# Altium PCB IMX6 DEV BOARD.PcbDoc (part 4 of 12) (continued)
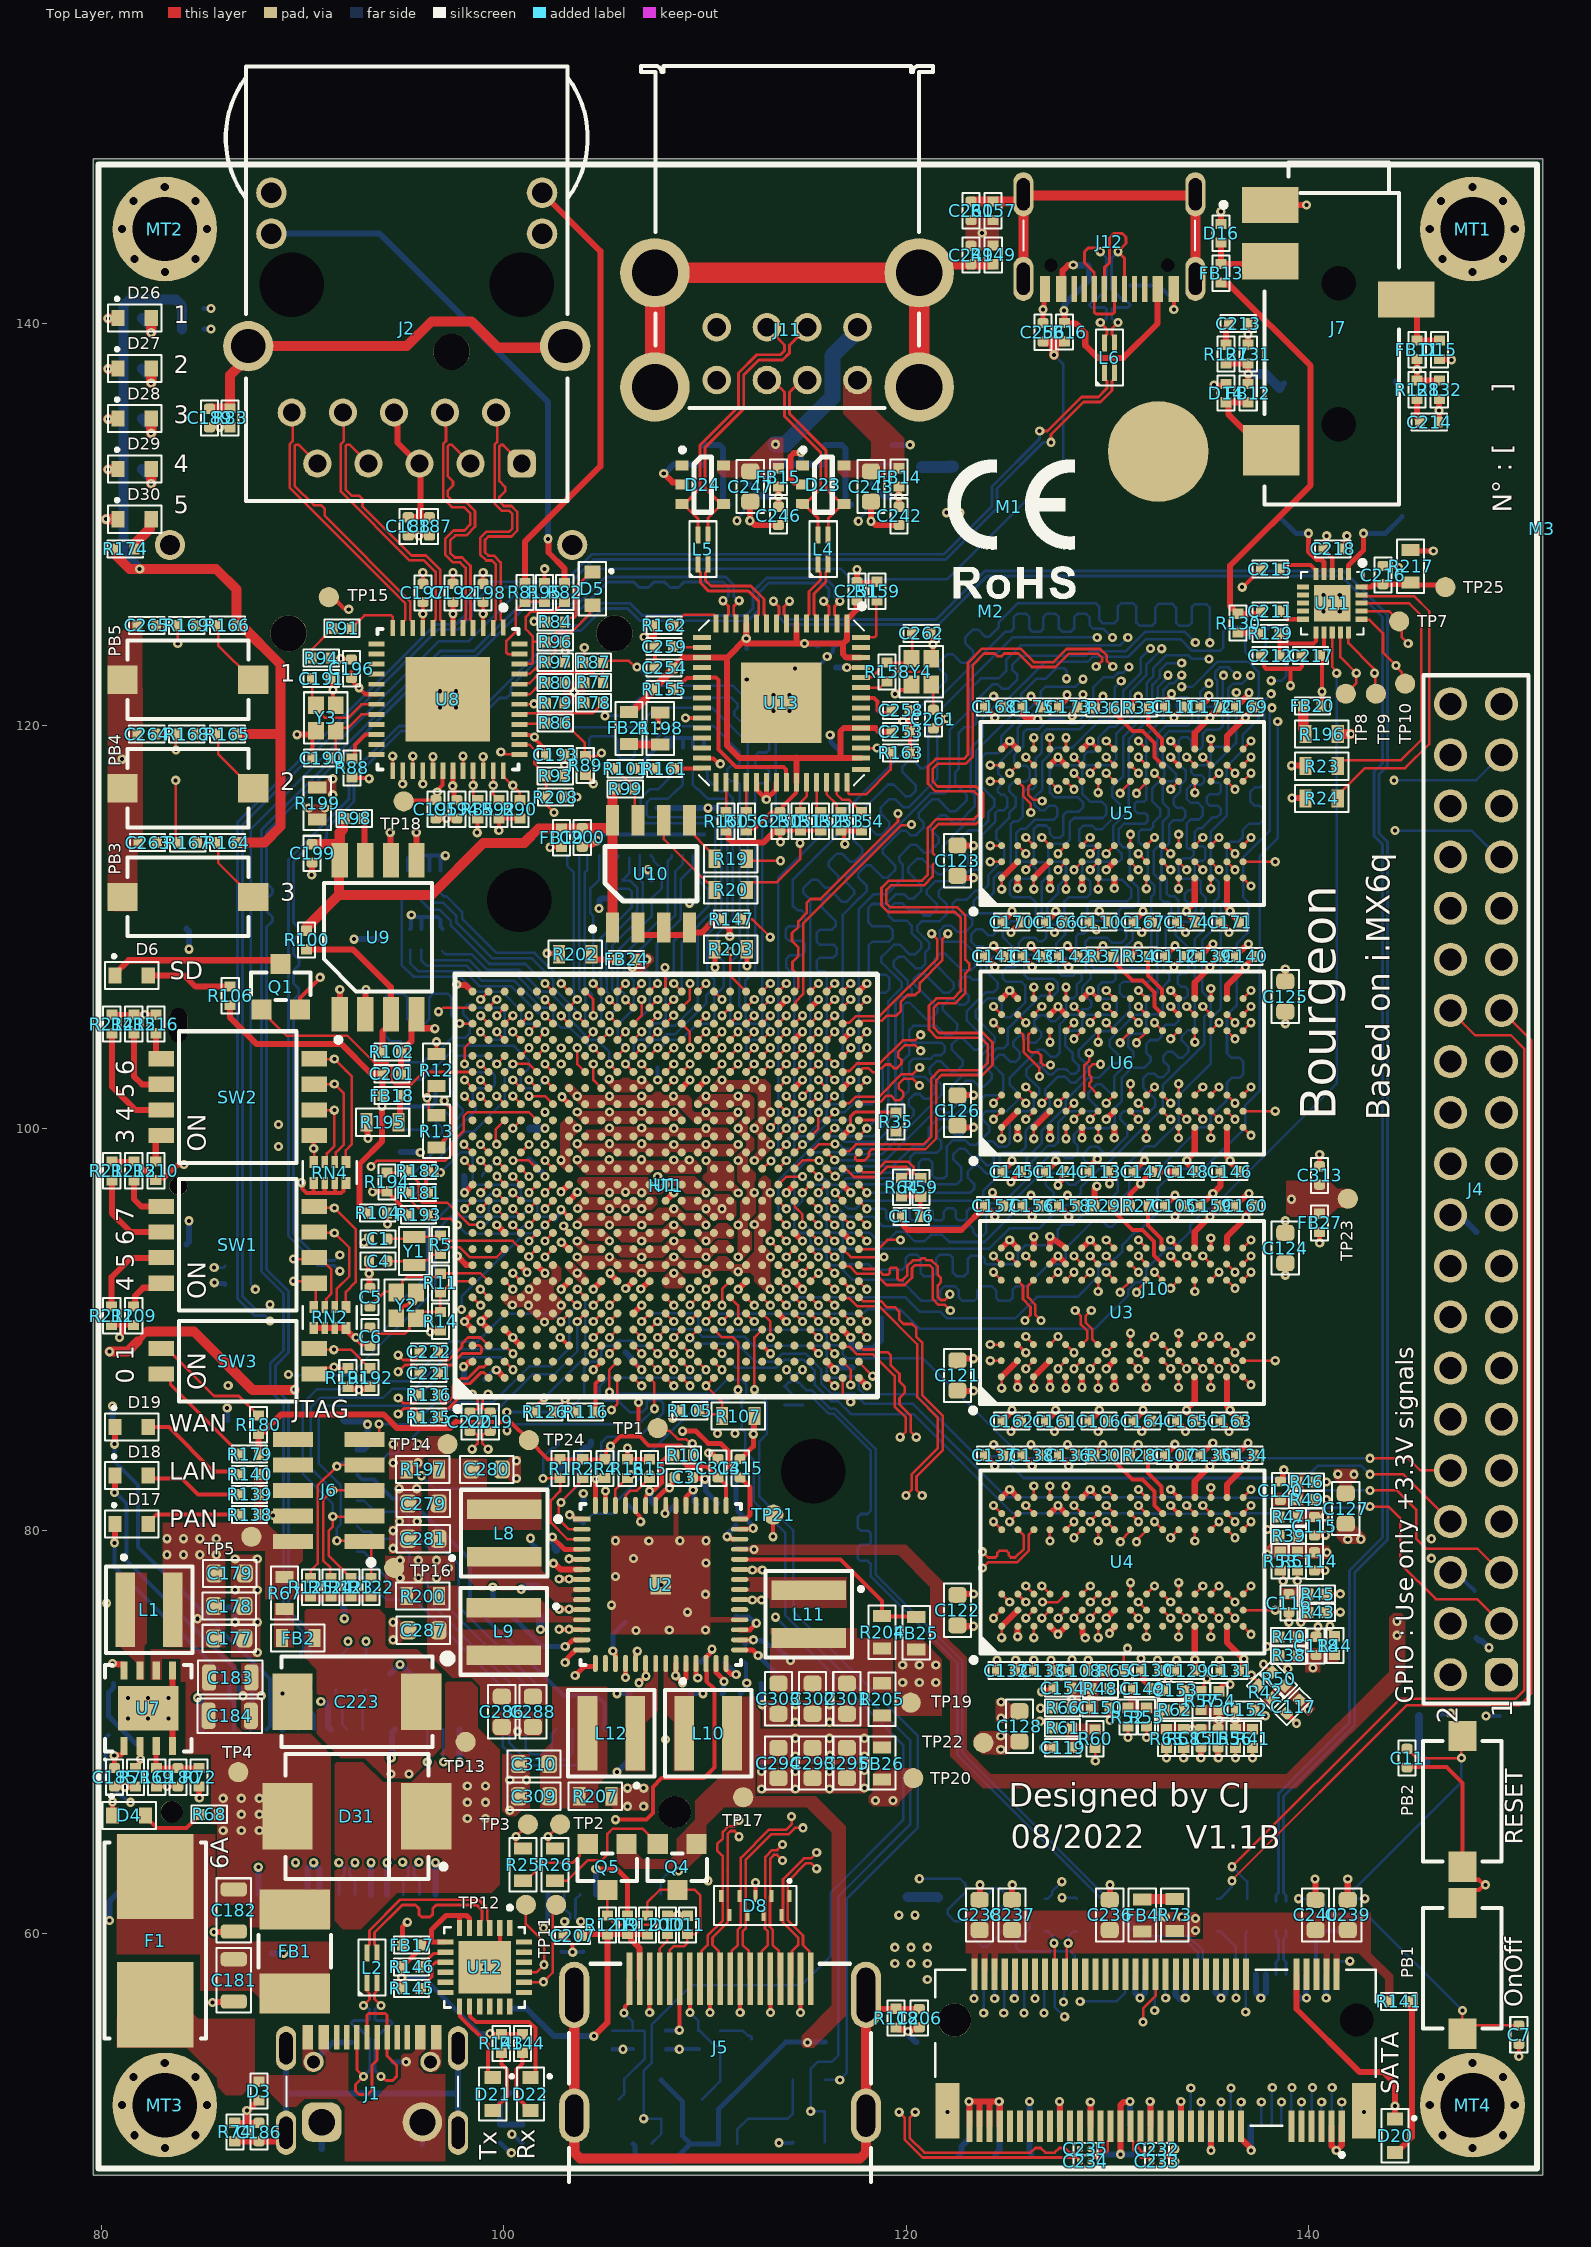
[diagram p0: Top Layer view]
## Nets (pads, with @x,y where several pads share a name; then routed paths per layer and width w, separated by ;. In a path a pad name is that pad's centre, name@x,y a point inside that pad or via, vN(x,y) a via of type N, cw(c..) or ccw(c..) an arc to the next point about the centre after c; other vN are vias at no path point) (continued)
  Top Layer w0.125: v1(107.65,89.6) 107.65,89.603 108.044,89.997 U1.N4@108.044,90
  Inner 2 w0.125: v1(107.65,89.6) 107.586,89.536 107.586,89.347 107.257,89.019 107.257,88.621 107.029,88.393 106.687,88.393 106.099,87.804 106.099,86.201 108.526,83.774 108.526,83.074 109.022,82.578 109.022,81.732 109.561,81.193 109.561,79.289 109.909,78.941 110.109,78.941 111.95,77.1 113.113,77.1 114.526,75.687 114.526,75.374 124.875,65.025 127.575,65.025 129.519,63.081 129.999,63.081 131.2,61.88 131.2,55.3 132.575,53.925 136.6,53.925 v1(138.2,52.325)
  Bottom Layer w0.125: J10.61A@138.127,50.393 138.164,50.43 138.164,52.288 v1(138.2,52.325)
CdE_GPIO_3: J10.63A U1.L3 | length 58.5
  Top Layer w0.125: U1.L3@106.45,89.194 106.453,89.194 106.847,88.8 v1(106.85,88.8)
  Inner 2 w0.125: v1(106.85,88.8) 106.786,88.736 106.581,88.736 105.779,87.934 105.779,86.045 108.112,83.711 108.112,82.91 108.661,82.361 108.661,81.539 108.83,81.37 108.83,80.27 109.211,79.889 109.211,78.613 109.825,77.999 110.251,77.999 112.092,76.158 112.187,76.158 112.513,76.157 113.598,76.158 113.893,75.863 113.893,75.261 124.679,64.475 127.225,64.475 130.712,60.988 130.712,54.888 132.1,53.5 136.411,53.5 138.31,51.601 v1@138.649,51.601
  Bottom Layer w0.125: J10.63A@138.627,50.393 138.639,50.405 138.639,51.589 v1(138.65,51.6)
CdE_GPIO_4: J10.65A U1.P4 | length 59.4
  Top Layer w0.125: v1(108.45,89.6) 108.45,89.603 108.844,89.997 U1.P4@108.844,90
  Inner 2 w0.125: v1(108.45,89.6) 108.058,89.208 108.058,88.59 107.86,88.393 107.487,88.393 107.25,88.155 107.25,87.845 107.009,87.604 106.699,87.604 106.447,87.353 106.447,86.953 106.619,86.781 106.877,86.781 107.096,86.562 107.096,85.611 108.904,83.804 108.904,83.296 109.467,82.733 109.467,82.535 109.9,82.102 109.9,80.271 111.148,79.024 111.148,78.502 112.103,77.547 113.103,77.547 124.975,65.675 127.825,65.675 132.018,61.482 132.018,56.493 131.957,56.433 131.957,55.987 132.645,55.3 136.7,55.3 139.175,52.825 v1(139.175,52.325)
  Bottom Layer w0.125: J10.65A@139.127,50.393 139.151,50.417 139.151,52.301 v1(139.175,52.325)
CdE_GPIO_5: J10.67A U1.N3 | length 54.5
  Top Layer w0.125: U1.N3@108.05,89.194 108.053,89.194 108.447,88.8 v1(108.45,88.8)
  Inner 2 w0.125: v1(108.45,88.8) 108.386,88.736 108.386,88.491 108.058,88.163 108.058,86.952 109.067,85.943 109.067,85.765 111.043,83.79 111.043,82.134 112.861,80.316 112.861,79.653 113.407,79.107 113.893,79.107 119.307,73.693 119.307,73.207 119.582,72.932 119.898,72.932 120.257,72.573 120.257,72.287 124.645,67.9 125.8,67.9 126.447,67.253 128.409,67.253 136.957,58.706 136.957,56.678 137.369,56.266 137.369,55.731 139.65,53.45 v1(139.65,51.6)
  Bottom Layer w0.125: J10.67A@139.627,50.393 139.639,50.405 139.639,51.589 v1(139.65,51.6)
CdE_GPIO_6: J10.69A U1.N1 | length 53.1
  Top Layer w0.125: U1.N1@108.05,87.594 108.053,87.594 108.447,87.2 v1(108.45,87.2)
  Inner 2 w0.125: v1(108.45,87.2) 108.514,87.136 108.514,86.885 109.973,85.426 110.757,85.426 111.061,85.122 111.061,84.459 111.473,84.047 111.473,82.205 114.978,78.701 115.241,78.701 120.218,73.724 120.218,73.202 120.532,72.887 120.768,72.887 121.082,72.573 121.082,72.136 124.601,68.618 125.982,68.618 126.7,67.9 128.322,67.9 138.083,58.139 138.083,55.917 140.2,53.8 v1(140.2,52.325)
  Bottom Layer w0.125: J10.69A@140.127,50.393 140.164,50.43 140.164,52.289 v1(140.2,52.325)
CdE_GPIO_7: J10.71A U1.N2 | length 54.2
  Top Layer w0.125: U1.N2@108.05,88.394 108.053,88.394 108.447,88 v1(108.45,88)
  Inner 2 w0.125: v1(108.45,88) 108.858,87.593 108.858,87.037 110.185,85.71 111.316,85.71 111.886,85.139 111.886,82.257 114.943,79.2 115.538,79.2 121.043,73.695 121.043,73.202 121.402,72.843 121.638,72.843 121.868,72.613 121.868,72.377 123.998,70.247 124.953,70.247 126.654,68.546 128.282,68.546 138.79,58.038 138.79,56.01 140.65,54.15 v1(140.65,51.6)
  Bottom Layer w0.125: J10.71A@140.627,50.393 140.638,50.405 140.638,51.589 v1(140.65,51.6)
CdE_GPIO_8: J10.73A U1.P1 | length 53.5
  Top Layer w0.125: U1.P1@108.85,87.594 108.853,87.594 109.247,87.2 v1(109.25,87.2)
  Inner 2 w0.125: v1(109.25,87.2) 109.25,87.109 109.382,86.977 109.382,86.924 110.308,85.998 111.843,85.998 112.828,85.014 112.828,84.497 112.5,84.169 112.5,82.194 114.997,79.697 115.703,79.697 122.01,73.39 122.01,73.14 124.063,71.087 124.953,71.087 126.356,69.684 127.662,69.684 139.4,57.945 139.4,56.3 141.175,54.525 v1(141.175,52.325)
  Bottom Layer w0.125: J10.73A@141.127,50.393 141.151,50.417 141.151,52.301 v1(141.175,52.325)
CdE_GPIO_9: J10.75A U1.P2 | length 55
  Top Layer w0.125: U1.P2@108.85,88.394 108.853,88.394 109.247,88 v1(109.25,88)
  Inner 2 w0.125: v1(109.25,88) 109.657,87.593 109.657,87.037 110.422,86.273 112.158,86.273 113.206,85.226 113.206,84.3 113,84.094 113,82.204 115.004,80.2 115.85,80.2 124.05,72 124.918,72 126.062,70.856 126.062,70.468 126.43,70.1 127.835,70.1 128.905,69.029 129.555,69.029 130,68.584 130,68.016 140.4,57.616 140.4,56.069 141.65,54.819 v1(141.65,51.6)
  Bottom Layer w0.125: J10.75A@141.627,50.393 141.639,50.405 141.639,51.589 v1(141.65,51.6)
CdE_GPIO_10: J10.74A U1.P3 | length 50.3
  Top Layer w0.125: U1.P3@108.85,89.194 108.853,89.194 109.247,88.8 v1(109.25,88.8)
  Inner 2 w0.125: v1(109.25,88.8) 109.994,88.8 110.457,88.336 110.457,87.506 111.395,86.568 112.469,86.568 113.481,85.556 113.481,82.206 114.886,80.8 115.947,80.8 123.647,73.1 124.5,73.1 125.992,71.608 126.797,71.608 128.005,70.4 128.806,70.4 135.406,63.8 136.296,63.8 136.802,63.294 136.802,62.156 140.294,58.664 141.986,58.664 v1(142.05,58.6)
  Bottom Layer w0.125: J10.74A@141.377,57.943 141.377,58.513 141.464,58.6 v1(142.05,58.6)
CdE_I2C_SCL: J10.56A R109.2 U1.U5 | length 56.8
  Top Layer w0.125: v1(110.85,90.4) 110.85,90.403 111.244,90.797 U1.U5@111.244,90.8
  Inner 5 w0.125: v1(110.85,90.4) 110.85,90.491 110.967,90.608 110.967,90.661 111.899,91.593 113.407,91.593 113.651,91.348 113.651,90.199 114.01,89.84 114.01,89.165 114.445,88.729 114.445,85.246 113.1,83.901 113.1,81.75 120.229,74.621 120.229,71.478 120.594,71.114 120.594,67.706 127.6,60.7 130.633,60.7 135.255,56.078 v1(136.872,56.078)
  Bottom Layer w0.125: v1(136.872,56.078) 136.875,56.081 136.875,57.941 J10.56A@136.877,57.943 136.877,60.027 R109.2@136.95,60.1
CdE_I2C_SDA: J10.54A R108.1 U1.T7 | length 57.3
  Top Layer w0.125: v1(110.05,92) 110.05,92.003 110.444,92.397 U1.T7@110.444,92.4
  Inner 5 w0.125: v1(110.05,92) 111.095,92 111.487,92.392 112.569,92.392 113.388,92.393 113.615,92.165 113.651,92.129 113.651,91.837 113.889,91.6 114.199,91.6 114.45,91.349 114.45,89.325 115.3,88.475 115.3,85.595 113.425,83.72 113.425,82.025 121.064,74.386 121.064,67.836 127.758,61.142 130.911,61.142 134.553,57.5 135.665,57.5 v1(136.396,56.769)
  Bottom Layer w0.125: R108.1@135.45,60.1 135.6,60.1 136.377,59.323 J10.54A@136.377,57.943 136.386,57.934 136.386,56.778 v1(136.396,56.769)
CdE_ONOFF: J10.70A R177.1 R178.1 | length 3.7
  Bottom Layer w0.2: J10.70A@140.377,57.943 140.377,60.077 R177.1@140.4,60.1 R178.1@141.95,60.1
CdE_SD_CLK: J10.20A U1.D14 | length 67
  Top Layer w0.125: U1.D14@100.848,97.999 101.247,97.6 v1(101.25,97.6)
  Inner 2 w0.11: v1(101.25,97.6) 101.635,97.215 101.635,96.641 101.379,96.385 101.091,96.385 100.835,96.129 100.835,94.815 100.702,94.682 100.447,94.682 100.308,94.543 100.308,94.121 100.442,93.987 100.69,93.987 100.835,93.842 100.835,93.402 100.668,93.234 100.181,93.234 100.02,93.073 100.02,92.572 100.192,92.4 100.651,92.4 100.835,92.216 100.835,90.51 101.263,90.082 101.263,86.448 101.692,86.019 101.692,85.647 101.279,85.234 101.279,85.021 101.556,84.744 101.743,84.744 102.257,85.259 102.452,85.259 102.743,84.968 102.743,84.776 102.239,84.272 102.239,84.061 102.6,83.7 102.78,83.7 103.292,84.213 103.498,84.213 103.796,83.915 103.796,83.704 103.471,83.379 103.471,83.167 103.736,82.902 103.976,82.902 104.283,83.209 104.502,83.209 104.755,82.955 105.443,82.268 105.443,81.596 105.282,81.435 103.971,81.435 103.836,81.3 103.836,80.95 103.996,80.789 104.861,80.789 105.003,80.648 105.003,80.203 104.86,80.06 104.437,80.06 104.278,79.901 104.278,79.551 104.446,79.382 104.862,79.382 105.003,79.241 105.003,78.897 106,77.9 106,76.743 109.424,73.319 109.81,73.319 110.221,72.908 110.221,72.579 110.9,71.9 110.9,71.707 114.191,68.416 114.913,68.416 115.478,67.85 115.478,67.268 118.521,64.226 120.974,64.226 127.821,57.379 v1(127.821,56.579)
  Bottom Layer w0.125: v1(127.821,56.579) 127.849,56.607 127.849,57.915 J10.20A@127.877,57.943
CdE_SD_CMD: J10.22A U1.B13 | length 67
  Top Layer w0.125: v1(98.85,96.796) 98.85,96.799 99.248,97.196 99.25,97.199 U1.B13@99.25,97.202
  Inner 2 w0.11: v1(98.85,96.796) 98.783,96.729 98.783,96.558 98.453,96.228 98.453,95.802 98.1,95.449 98.1,91.406 98.453,91.052 98.453,87.647 98.84,87.26 98.84,83.293 101.781,80.352 102.393,80.352 103.74,79.005 103.74,78.383 104.564,77.558 104.564,76.269 106.284,74.549 106.89,74.549 107.912,73.528 107.912,72.825 111.337,69.4 112.083,69.4 113.3,68.183 113.3,67.779 114.347,66.732 114.568,66.732 118.6,62.7 v1(120.65,62.7)
  Bottom Layer w0.125: v1(120.65,62.7) 122.688,62.7 122.964,62.424 122.964,62.069 122.073,61.178 122.073,60.927 122.415,60.585 122.7,60.585 124.34,62.225 124.65,62.225 125.04,61.835 125.04,61.569 123.402,59.932 123.402,59.698 123.78,59.32 124.02,59.32 125.491,60.791 125.817,60.791 126.143,60.465 126.143,60.205 125.468,59.53 125.468,59.274 125.643,59.1 128.15,59.1 128.377,58.873 J10.22A@128.377,57.943
CdE_SD_DATA0: J10.2A U1.E14 | length 67
  Top Layer w0.125: v1(100.456,98.401) 101.243,98.401 U1.E14@101.644,98
  Inner 2 w0.11: v1@100.455,98.401 100.047,98.81 99.408,98.81 99.247,98.971 99.247,99.446 99.105,99.588 97.202,99.588 95.23,97.616 95.23,95.43 94.212,94.412 94.212,84.912 94,84.7 94,82.14 94.802,81.338 95.462,81.338 97.715,79.085 98.131,79.085 99.9,77.316 99.9,74.9 107.6,67.2 108.961,67.2 110.35,65.811 110.35,65.25 116.6,59 118.289,59 120.539,56.75 v1(123.375,56.75)
  Bottom Layer w0.125: v1(123.375,56.75) v1(123.375,56.75) 123.376,57.942 J10.2A@123.377,57.943
CdE_SD_DATA1: J10.4A U1.F14 | length 67
  Top Layer w0.125: v1(102.05,98.4) 102.05,98.397 102.444,98.003 U1.F14@102.444,98
  Inner 2 w0.11: v1(102.05,98.4) 101.506,98.4 100.831,97.726 100.831,97.44 100.606,97.215 98.615,97.215 98.435,97.035 98.435,96.641 98.194,96.4 97.839,96.4 97.298,95.859 97.298,85.802 97.585,85.515 97.585,82.808 101.541,78.851 102.649,78.851 102.86,78.64 102.86,78.415 103.06,78.215 103.212,78.215 104.1,77.327 104.1,76.003 106.477,73.626 106.857,73.246 107.187,73.246 107.558,72.875 107.558,72.667 112.684,67.541 113.009,67.541 113.95,66.6 114.07,66.6 118.617,62.053 119.896,62.053 122.418,59.532 124.361,59.532 126.819,57.074 126.819,56.597 126.381,56.159 126.381,55.918 126.047,55.584 124.291,55.584 v1(123.85,56.025)
  Bottom Layer w0.125: v1(123.85,56.025) 123.863,56.039 123.863,57.93 J10.4A@123.877,57.943
CdE_SD_DATA2: J10.6A U1.A15 | length 67
  Top Layer w0.125: v1(98.018,99.203) 98.029,99.203 98.432,98.8 U1.A15@98.444,98.8
  Inner 2 w0.11: v1(98.018,99.203) 97.303,99.203 95.6,97.5 95.6,95.223 94.593,94.216 94.593,93.909 94.756,93.746 95.139,93.746 95.275,93.61 95.275,93.249 95.126,93.1 94.676,93.1 94.536,92.96 94.536,92.643 94.679,92.5 95.139,92.5 95.287,92.353 95.287,91.956 95.13,91.8 94.679,91.8 94.531,91.652 94.531,91.249 94.68,91.1 95.099,91.1 95.264,90.935 95.264,90.564 95.1,90.4 94.757,90.4 94.598,90.24 94.598,89.602 95.2,89 95.2,87.72 94.868,87.388 94.868,87.132 95.2,86.8 95.2,85.3 94.9,85 94.9,84.6 95.2,84.3 95.2,83.7 94.9,83.4 94.9,82.9 95.2,82.6 95.2,81.9 95.502,81.598 95.702,81.598 97.4,79.9 97.9,79.9 100.3,77.5 100.3,75 107.553,67.747 108.896,67.747 111.447,65.197 111.887,65.197 112.241,64.842 112.241,64.109 116.95,59.4 118.628,59.4 119.138,58.89 119.632,58.89 119.842,58.68 119.842,58.267 120.909,57.2 123.95,57.2 v1(124.4,56.75)
  Bottom Layer w0.125: J10.6A@124.377,57.943 124.389,57.932 124.389,56.761 v1(124.4,56.75)
CdE_SD_DATA3: J10.8A U1.B15 | length 67
  Top Layer w0.125: v1(98.846,99.2) 98.849,99.2 99.246,98.802 99.249,98.8 U1.B15@99.252,98.8
  Inner 2 w0.11: v1(98.846,99.2) 98.432,98.785 97.253,98.785 96,97.532 96,94.699 95.869,94.569 95.616,94.569 95.478,94.43 95.478,93.99 95.622,93.846 95.865,93.846 96,93.711 96,93.237 95.858,93.095 95.638,93.095 95.5,92.957 95.5,92.555 95.646,92.409 95.847,92.409 96,92.256 96,91.13 95.87,91 95.705,91 95.587,90.882 95.587,85.166 96.343,84.409 96.343,82.257 96.6,82 96.6,81.584 96.82,81.364 97.236,81.364 101.3,77.3 101.3,76.349 101.151,76.2 100.845,76.2 100.7,76.055 100.7,75.563 100.863,75.4 101.16,75.4 101.3,75.26 101.3,74.506 107.606,68.2 109.2,68.2 111.368,66.032 111.832,66.032 112.733,65.132 112.733,64.176 117.009,59.9 119.5,59.9 119.821,59.579 119.821,59.169 120.1,58.89 120.389,58.89 120.641,58.637 120.641,58.357 120.921,58.076 121.416,58.076 121.867,57.625 124.325,57.625 124.85,57.1 v1(124.85,56.025)
  Bottom Layer w0.125: v1(124.85,56.025) 124.863,56.039 124.863,57.93 J10.8A@124.877,57.943
CdE_SD_DATA4: J10.12A U1.D13 | length 67
  Top Layer w0.125: v1(100.446,97.6) 100.449,97.6 100.846,97.202 100.849,97.2 U1.D13@100.852,97.2
  Inner 2 w0.11: v1(100.446,97.6) 100.043,98.003 97.703,98.003 96.346,96.646 96.346,90.42 95.917,89.991 95.917,89.583 96.337,89.163 96.337,88.746 95.915,88.325 95.915,88.025 96.396,87.545 96.396,87.234 96,86.838 96,85.5 96.8,84.7 96.8,82.4 101.915,77.285 101.915,75.89 102.286,75.519 102.286,74.305 102.742,73.848 103.361,73.848 104.248,72.962 104.248,72.327 107.899,68.676 109.924,68.676 113.215,65.385 113.215,64.389 113.585,64.019 114.207,64.019 114.678,63.547 114.678,62.822 114.9,62.6 115.557,62.6 115.789,62.367 115.789,61.711 116.009,61.491 116.665,61.491 117.761,60.395 119.683,60.395 120.649,59.429 120.649,59.081 120.846,58.884 121.281,58.884 121.965,58.2 122.624,58.2 122.824,58.4 123.2,58.4 123.4,58.2 124.6,58.2 125.85,56.95 v1(125.85,56.025)
  Bottom Layer w0.125: v1(125.85,56.025) 125.863,56.039 125.863,57.93 J10.12A@125.877,57.943
CdE_SD_DATA5: J10.14A U1.C13 | length 67
  Top Layer w0.125: v1(99.659,97.616) 99.659,97.6 100.05,97.209 U1.C13@100.05,97.199
  Inner 2 w0.11: v1(99.659,97.616) 97.885,97.616 96.749,96.48 96.749,86.877 96.374,86.501 96.374,86.09 96.749,85.715 96.749,85.364 97.245,84.868 97.245,82.568 102.292,77.521 102.292,76.972 102.636,76.629 103.342,76.629 103.7,76.271 103.7,74.506 104.603,73.603 104.603,72.488 104.791,72.3 106.047,72.3 106.28,72.067 106.28,71.833 105.873,71.426 105.873,71.227 106.15,70.95 106.381,70.95 106.854,71.424 107.06,71.424 107.411,71.072 107.411,70.88 106.917,70.385 106.917,70.183 107.239,69.861 107.461,69.861 107.805,70.205 108.089,70.205 109.094,69.2 110.2,69.2 113.608,65.792 113.608,65.137 113.94,64.805 114.717,64.805 115.003,64.519 115.003,63.927 115.325,63.605 115.756,63.605 115.966,63.395 115.966,62.873 117.439,61.4 118.033,61.4 118.2,61.233 118.2,60.866 118.337,60.729 118.665,60.729 118.8,60.864 118.8,61.263 118.937,61.4 119.67,61.4 120.04,61.03 120.04,60.749 120.285,60.505 120.495,60.505 122,59 123.118,59 123.418,58.7 123.703,58.7 123.999,58.996 124.355,58.996 126.333,57.019 126.333,56.817 v1(126.4,56.75)
  Bottom Layer w0.125: J10.14A@126.377,57.943 126.389,57.932 126.389,56.761 v1(126.4,56.75)
CdE_SD_DATA6: J10.16A U1.E13 | length 67
  Top Layer w0.125: v1(101.25,96.8) 101.25,96.803 101.644,97.197 U1.E13@101.644,97.2
  Inner 2 w0.11: v1(101.25,96.8) 101.183,96.733 100.983,96.733 100.659,96.409 100.614,96.409 100.613,96.408 100.302,96.408 100.057,96.163 100.057,96.152 100.05,96.144 100.05,95.733 99.902,95.585 99.491,95.585 99.258,95.352 99.258,94.772 99.107,94.621 98.846,94.621 98.71,94.485 98.71,94.121 98.846,93.985 99.246,93.985 99.386,93.845 99.386,93.44 99.25,93.305 98.839,93.305 98.71,93.176 98.71,92.776 98.839,92.646 99.173,92.646 99.316,92.502 99.316,92.184 99.666,91.834 99.666,88.734 100.031,88.369 100.031,86.669 100.561,86.139 100.561,84.583 102.39,82.753 102.39,82.272 102.094,81.977 102.094,81.546 102.39,81.25 102.39,81.042 104.3,79.132 104.3,78.7 105,78 105,77.2 109.255,72.945 109.255,72.518 109.484,72.289 110.056,72.289 110.4,71.944 110.4,70.968 111.468,69.9 112.072,69.9 114.358,67.614 114.579,67.614 118.793,63.4 119.257,63.4 119.49,63.633 119.953,63.633 120.186,63.4 120.65,63.4 121.035,63.015 121.319,62.732 121.319,62.519 120.706,61.906 120.706,61.711 120.99,61.427 121.207,61.427 122.01,62.23 122.194,62.23 122.467,61.957 122.467,61.781 121.636,60.949 121.636,60.749 121.91,60.474 122.105,60.474 122.884,61.253 123.09,61.253 123.352,60.991 123.352,60.803 122.873,60.323 122.873,60.127 123.145,59.855 123.408,59.855 123.698,60.145 123.905,60.145 124.05,60 124.647,60 127.2,57.447 127.2,56.375 v1(126.85,56.025)
  Bottom Layer w0.125: v1(126.85,56.025) 126.864,56.039 126.864,57.93 J10.16A@126.877,57.943
CdE_SD_DATA7: J10.18A U1.F13 | length 67
  Top Layer w0.125: v1(102.05,96.8) 102.05,96.803 102.444,97.197 U1.F13@102.444,97.2
  Inner 2 w0.11: v1(102.05,96.8) 101.983,96.733 101.983,96.478 101.638,96.133 101.638,89.512 101.808,89.342 102.354,89.342 102.531,89.164 102.531,88.591 102.355,88.414 101.809,88.414 101.623,88.228 101.623,87.647 101.827,87.443 102.328,87.443 102.5,87.271 102.5,85.578 105.712,82.366 105.712,79.912 105.991,79.633 105.991,78.437 106.532,77.896 106.532,77.332 110.442,73.422 111.622,73.422 112.857,72.187 112.857,71.979 112.358,71.48 112.358,71.242 112.7,70.9 112.944,70.9 113.558,71.514 113.786,71.514 114.133,71.167 114.133,70.946 113.4,70.213 113.4,70 113.7,69.7 113.9,69.7 114.281,70.081 114.841,70.081 115.067,69.855 115.067,69.066 115.693,68.44 116.52,68.44 117.3,67.659 117.3,67.418 116.777,66.895 116.777,66.673 117.069,66.381 117.279,66.381 117.598,66.7 117.8,66.7 118.119,66.381 118.119,66.184 117.786,65.851 117.786,65.664 118.066,65.384 118.266,65.384 118.838,65.957 119.043,65.957 119.302,65.698 119.302,65.482 118.911,65.09 118.911,64.852 119.063,64.7 119.8,64.7 119.948,64.848 120.452,64.848 120.6,64.7 121.3,64.7 123,63 123.8,63 124.3,62.5 124.3,61.598 128.248,57.65 128.248,56.216 v1(127.876,55.845)
  Bottom Layer w0.125: J10.18A@127.377,57.943 J10.18A@127.377,57.943 127.376,56.324 127.855,55.845 v1(127.876,55.845)
CdE_SD_RST: J10.32A U1.D15 | length 67
  Top Layer w0.125: U1.D15@100.848,98.799 100.848,98.801 101.247,99.2 v1(101.25,99.2)
  Inner 2 w0.11: v1(101.25,99.2) 101.643,98.808 102.198,98.808 102.435,98.57 102.435,92.574 102.015,92.154 102.015,91.017 102.427,90.605 102.427,90.21 102.646,89.991 103.724,89.991 103.9,89.815 103.9,89.418 103.738,89.256 103.267,89.256 103.1,89.089 103.1,88.758 103.442,88.416 103.442,85.052 106.344,82.149 106.344,79.427 108.619,77.152 108.619,76.688 108.831,76.476 109.295,76.476 113.036,72.735 113.792,72.735 115.5,71.027 115.5,69.695 115.948,69.247 116.657,69.247 117.059,68.845 117.059,68.394 117.835,67.619 118.3,67.619 118.935,66.984 119.159,66.984 119.719,67.544 119.961,67.544 120.336,67.169 120.336,66.95 119.649,66.263 119.649,66.051 120.007,65.693 120.209,65.693 120.982,66.467 121.222,66.467 121.556,66.133 121.556,65.923 121.146,65.513 121.146,65.303 121.599,64.85 121.805,64.85 122.151,65.197 122.353,65.197 124.786,62.764 124.786,62.007 126.74,60.053 126.74,59.545 127.47,58.814 128.239,58.814 128.65,58.404 v1(128.65,56.6)
  Bottom Layer w0.125: v1(128.65,56.6) 130.45,56.6 130.877,57.027 J10.32A@130.877,57.943
CdE_SPI_CS0: J10.53A U1.U6 | length 56.4
  Top Layer w0.125: U1.U6@111.244,91.6 111.65,91.194 v1(111.65,90.4)
  Inner 5 w0.125: v1(111.65,90.4) 112.03,90.02 112.03,84.985 111.923,84.878 111.923,81.208 112.85,80.281 112.85,79.59 113.098,79.342 113.098,79.337 118.357,74.077 118.357,70.97 118.861,70.466 118.861,66.424 118.85,66.412 118.85,65.2 125.493,58.557 128.078,58.557 130.95,55.685 133.535,53.1 134.157,53.1 135.15,52.107 135.15,51.228 135.378,51 135.93,51 136.15,51.22 v1(136.15,52.3)
  Bottom Layer w0.125: J10.53A@136.127,50.393 136.139,50.405 136.139,52.289 v1(136.15,52.3)
CdE_SPI_CS1: J10.55A U1.W6 | length 53.9
  Top Layer w0.125: U1.W6@112.844,91.6 v1(113.244,91.2)
  Inner 5 w0.125: v1(113.244,91.2) 113.308,91.136 113.308,90.142 113.643,89.807 113.643,84.958 112.794,84.11 112.794,81.516 114.305,80.005 114.305,79.492 119.384,74.413 119.384,71.549 120.166,70.767 120.166,65.284 123.681,61.769 125.177,60.273 128.055,60.273 131.028,57.3 131.75,57.3 132.508,56.543 132.513,56.543 132.743,56.313 132.743,56.308 136.65,52.4 v1(136.65,51.6)
  Bottom Layer w0.125: J10.55A@136.627,50.393 136.638,50.405 136.638,51.589 v1(136.65,51.6)
CdE_SPI_MISO: J10.47A U1.U7 | length 55.9
  Top Layer w0.125: v1(110.85,91.2) 110.85,92.006 U1.U7@111.244,92.4
  Inner 5 w0.125: v1(110.85,91.2) 110.448,90.798 110.448,86.635 110.2,86.387 110.2,84.446 110.665,83.981 110.665,81.251 111.615,80.302 111.615,78.137 112.262,77.489 113.415,77.489 117.355,73.549 117.355,64.795 124.475,57.675 127.525,57.675 128.235,56.965 128.235,56.46 128.487,56.207 128.743,56.207 132.75,52.2 133.63,52.2 134.23,51.6 v1(134.65,51.6)
  Bottom Layer w0.125: J10.47A@134.627,50.393 134.639,50.405 134.639,51.589 v1(134.65,51.6)
CdE_SPI_MOSI: J10.45A U1.V6 | length 54.7
  Top Layer w0.125: U1.V6@112.044,91.6 112.047,91.6 112.447,91.2 v1(112.45,91.2)
  Inner 5 w0.125: v1(112.45,91.2) 111.895,91.2 111.257,90.563 111.257,87.265 111.101,87.108 111.101,81.549 111.98,80.67 111.98,79.733 112.255,79.458 112.593,79.458 112.823,79.228 112.823,79.223 113.053,78.992 113.053,78.586 117.768,73.871 117.768,70.859 118.481,70.146 118.481,67.16 117.835,66.513 117.835,64.915 124.614,58.136 127.784,58.136 130.45,55.47 133.32,52.6 133.85,52.6 v1(134.15,52.3)
  Bottom Layer w0.125: J10.45A@134.127,50.393 134.138,50.405 134.138,52.289 v1(134.15,52.3)
CdE_SPI_SCLK: J10.51A U1.W5 | length 52.6
  Top Layer w0.125: U1.W5@112.844,90.8 113.25,90.394 v1(113.25,89.6)
  Inner 5 w0.125: v1(113.25,89.6) 112.717,89.067 112.717,87.802 112.9,87.618 112.9,84.652 112.4,84.152 112.4,81.486 113.892,79.993 113.892,79.198 118.834,74.257 118.834,71.384 119.75,70.468 119.75,65 125.789,58.961 128.489,58.961 131.35,56.1 131.805,56.1 135.65,52.255 v1(135.65,51.6)
  Bottom Layer w0.125: J10.51A@135.627,50.393 135.639,50.405 135.639,51.589 v1(135.65,51.6)
CdE_UART_RxD: J10.38A U1.L1 | length 46.7
  Top Layer w0.125: U1.L1@106.45,87.594 106.453,87.594 106.847,87.2 v1(106.85,87.2)
  Inner 2 w0.125: v1(106.85,87.2) 106.906,87.2 107.881,86.224 107.881,85.233 109.43,83.684 109.43,83.37 109.763,83.037 110.186,83.037 110.39,82.833 110.39,81.085 111.63,79.846 111.63,79.017 112.047,78.6 112.991,78.6 113.6,77.991 113.6,77.588 124.094,67.094 124.706,67.094 125.6,66.2 128.2,66.2 132.35,62.05 v1(132.35,56.15)
  Bottom Layer w0.125: v1(132.35,56.15) 132.363,56.163 132.363,57.93 J10.38A@132.377,57.943
CdE_UART_TxD: J10.40A U1.M2 | length 46
  Top Layer w0.125: U1.M2@107.25,88.394 107.253,88.394 107.647,88 v1(107.65,88)
  Inner 2 w0.11: v1(107.65,88) 107.65,86.924 108.792,85.782 108.792,85.608 109.787,84.613 109.787,83.609 110.033,83.363 110.389,83.363 110.729,83.023 110.729,81.405 111.769,80.366 111.769,80.098 112.34,79.527 112.527,79.527 118.8,73.254 118.8,72.931 124.215,67.515 125.485,67.515 126.3,66.7 128.4,66.7 133.3,61.8 133.3,59.626 132.897,59.223 v1(132.897,56.775)
  Bottom Layer w0.125: J10.40A@132.877,57.943 132.887,57.933 132.887,56.785 v1(132.897,56.775)
CdE_USB_D_N: J10.62A L7.4 | length 2.3
  Bottom Layer w0.145: L7.4@138.375,60.125 138.375,59.825 138.503,59.697 138.503,58.694 138.377,58.568 J10.62A@138.377,57.943
CdE_USB_D_P: J10.64A L7.1 | length 2.3
  Bottom Layer w0.145: L7.1@138.875,60.125 138.875,59.825 138.758,59.708 138.758,58.687 138.877,58.568 J10.64A@138.877,57.943
DRAM0_ZQ: R30.2 U4.L8 | length 4.2
  Top Layer w0.2: R30.2@130.273,83.75 130.427,83.596 130.427,83.367 131.244,82.55 131.744,82.55 132.344,81.95 132.344,81.25 U4.L8@132.744,80.85
DRAM1_ZQ: R29.2 U3.L8 | length 4.2
  Top Layer w0.2: R29.2@130.273,96.15 130.427,95.996 130.427,95.767 131.244,94.95 131.744,94.95 132.325,94.369 132.325,93.669 U3.L8@132.744,93.25
DRAM2_ZQ: R37.2 U6.L8 | length 4.2
  Top Layer w0.2: R37.2@130.273,108.55 130.427,108.396 130.427,108.167 131.244,107.35 131.744,107.35 132.344,106.75 132.344,106.05 U6.L8@132.744,105.65
DRAM3_ZQ: R36.2 U5.L8 | length 4.2
  Top Layer w0.2: R36.2@130.273,120.95 130.427,120.796 130.427,120.567 131.244,119.75 131.744,119.75 132.344,119.15 132.344,118.45 U5.L8@132.744,118.05
DRAM_A0: R38.1 U1.AC14 U3.N3 U4.N3 U5.N3 U6.N3 | length 112
  Top Layer w0.125: U1.AC14@116.044,98 116.066,98 116.452,97.613 v1(116.474,97.613) ; U4.N3@134.344,76.85 v1(134.744,77.25) ; U3.N3@134.344,89.25 v1(134.744,89.65) ; U6.N3@134.344,101.65 v1(134.744,102.05) ; U5.N3@134.344,114.05 v1(134.744,114.45) ; R38.1@138.544,73.825 138.677,73.692 138.677,73.417 v1(138.969,73.125)
  Inner 2 w0.11: v1(133.694,123.125) 133.756,123.063 133.934,123.063 134.371,122.625 134.371,119.566 134.746,119.191 134.746,119.185 134.979,118.952 134.985,118.952 135.205,118.732 135.205,118.349 134.744,117.888 v1(134.744,114.45) 134.744,113.95 135.141,113.552 135.141,112.547 134.662,112.068 134.662,110.568 134.57,110.476 134.57,107.733 134.459,107.621 134.459,107.235 134.694,107 134.694,106.8 135.143,106.351 135.143,105.816 134.744,105.417 v1(134.744,102.05) 134.744,101.55 135.141,101.153 135.141,100.147 134.662,99.668 134.662,98.168 134.57,98.076 134.57,95.333 134.459,95.221 134.459,94.835 134.694,94.6 134.694,94.4 135.143,93.951 135.143,93.416 134.744,93.017 v1(134.744,89.65) 134.744,89.15 135.141,88.753 135.141,87.747 134.662,87.268 134.662,85.768 134.57,85.676 134.57,82.933 134.459,82.821 134.459,82.435 134.694,82.2 134.694,82 135.143,81.551 135.143,81.016 134.744,80.617 v1(134.744,77.25) 134.744,76.375 135.146,75.973 135.146,75.27 135.468,74.949 136.415,74.949 136.646,74.717 136.646,74.303 136.344,74 136.344,73.502 136.621,73.225 137.076,73.225 137.304,73.453 137.304,74.448 137.504,74.648 138.109,74.648 138.341,74.415 138.341,73.903 138.494,73.75 138.812,73.75 138.969,73.593 v1(138.969,73.125)
  Bottom Layer w0.125: v1(116.474,97.613) 116.523,97.662 116.766,97.662 116.897,97.793 120.037,97.793 120.199,97.956 120.199,98.56 120.422,98.782 121.518,98.782 121.736,99 121.736,99.361 121.539,99.557 121.539,99.798 121.795,100.054 122.046,100.054 122.425,99.675 122.744,99.675 122.944,99.875 122.944,100.175 122.802,100.316 122.802,100.634 122.997,100.828 123.542,100.828 123.737,101.022 123.737,101.435 123.952,101.65 124.583,101.65 124.822,101.888 124.822,102.647 124.333,103.136 124.333,103.364 124.621,103.652 124.842,103.652 125.195,103.299 125.418,103.299 ; 125.425,103.292 125.651,103.518 125.651,103.768 125.333,104.086 125.333,104.314 125.621,104.602 125.842,104.602 126.195,104.249 126.418,104.249 126.712,104.543 126.712,104.775 126.371,105.116 126.371,105.361 126.624,105.614 126.897,105.614 127.188,105.323 127.412,105.323 127.946,105.858 127.946,106.294 128.109,106.456 128.31,106.456 128.469,106.615 128.469,107.126 128.735,107.392 128.735,107.606 128.633,107.708 128.437,107.708 128.314,107.585 127.749,107.585 127.569,107.765 127.569,108.315 127.729,108.475 128.278,108.475 128.454,108.651 128.454,109.55 128.565,109.661 128.807,109.661 128.944,109.798 128.944,110.175 128.794,110.325 128.045,110.325 127.869,110.501 127.869,111.275 128.081,111.487 128.992,111.487 129.144,111.639 129.144,112.275 129.019,112.4 128.871,112.4 128.744,112.527 128.744,112.748 128.746,112.75 128.746,113.086 128.91,113.25 129.306,113.25 129.546,113.49 129.546,113.848 129.344,114.051 128.817,114.051 128.609,114.259 128.609,114.855 128.8,115.046 129.248,115.046 129.417,114.877 129.746,114.877 130.623,115.754 130.623,116.101 130.239,116.485 130.239,116.945 130.779,117.485 130.779,119.449 132.236,120.906 132.236,122.039 132.594,122.398 132.594,122.75 132.969,123.125 v1(133.694,123.125)